# Altium PCB ZZW-FM17550-CB-001-V0.3.PcbDoc
Units mil, origin at the board's own origin, x right, y up, seen from the top; angles counter-clockwise.
Board outline 1750 x 3524 mil, 2 copper layers (Top Layer, Bottom Layer); 56 components, 36 nets, 175 pads, 78 vias.
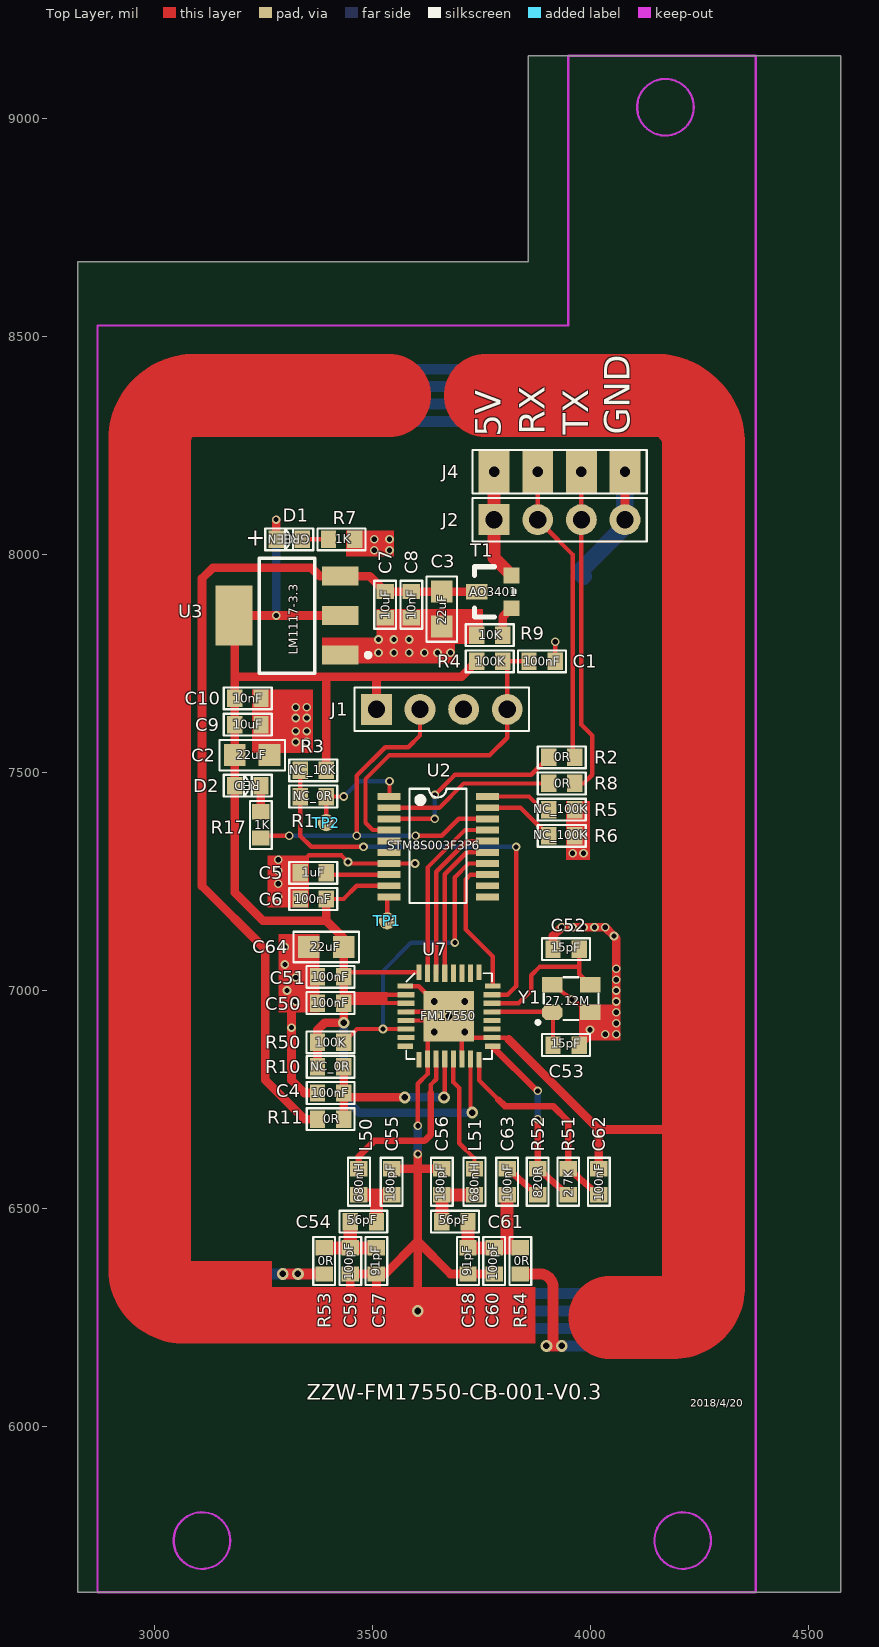
[diagram p0: Top Layer view]
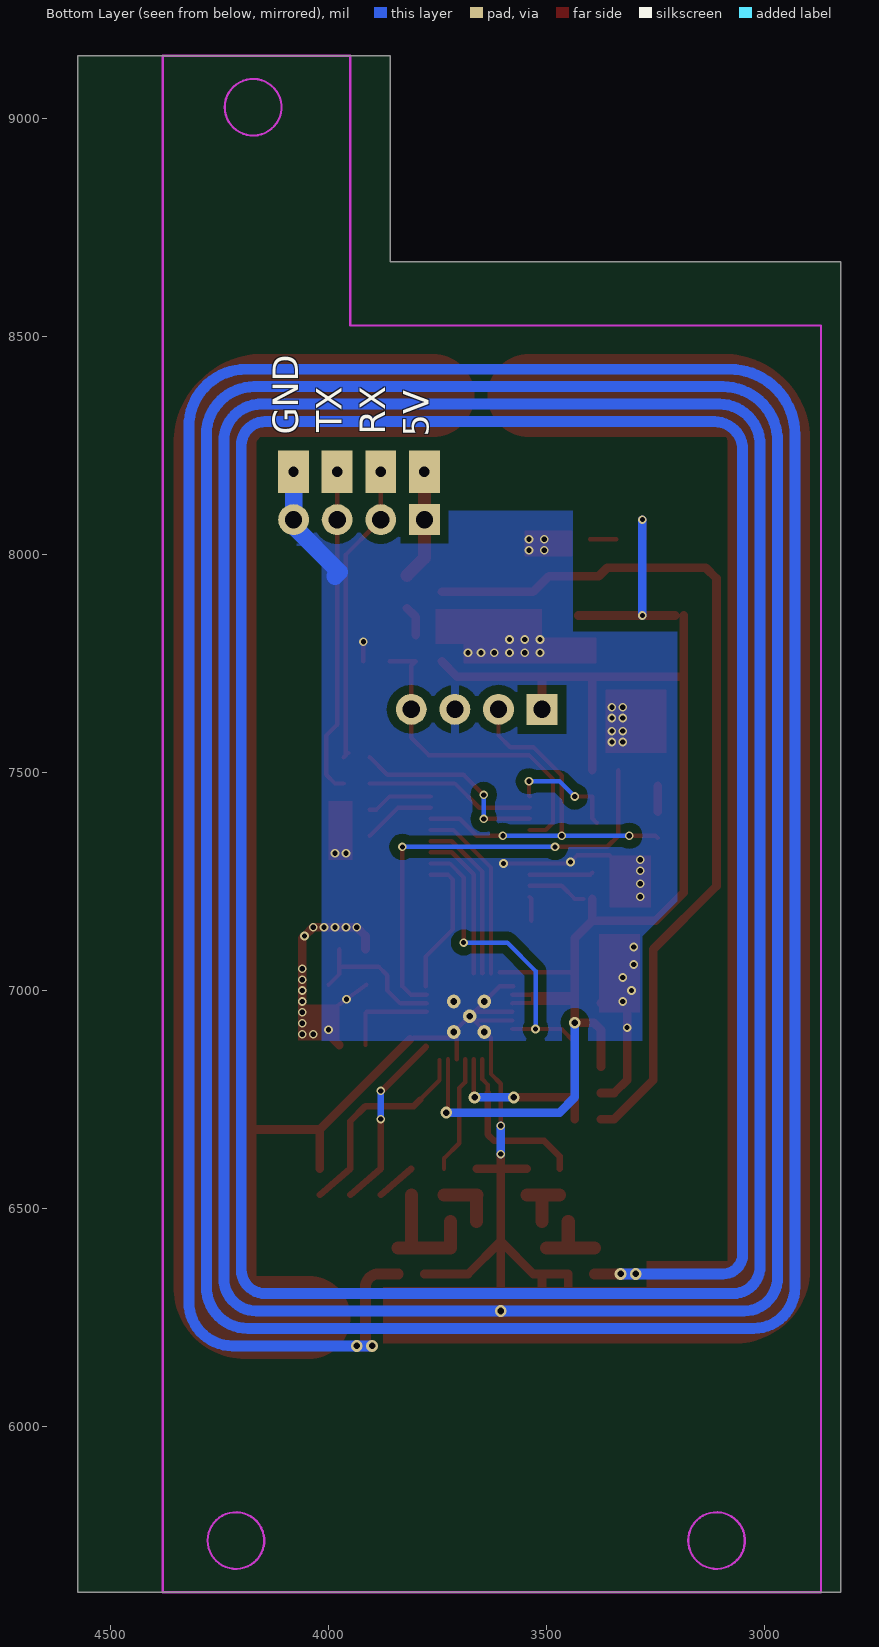
[diagram p1: Bottom Layer view, seen from below]

## Layer stack, top to bottom
Top Solder: solder mask 0.4, Solder Resist, Dk 3.5
Top Layer: signal copper 1.4
Dielectric 1: dielectric 12.6, FR-4, Dk 4.8
Bottom Layer: signal copper 1.4
Bottom Solder: solder mask 0.4, Solder Resist, Dk 3.5

## Board outline
2825,5620 2825,8671 3858,8671 3858,9144 4575,9144 4575,5620

## Design rules (kind name [scope] priority, off if disabled: settings)
Clearance Clearance_2 [InPolygon] p1: gap=20 ignorepadtopadclearanceinfootprint=FALSE except(0: Arc-Hole Track-Hole SMDPad-Hole THPad-Hole Via-Hole Fill-Hole Poly-Hole Region-Hole Text-Hole; 10: Text-Text)
Clearance Clearance_1 [InPolygon vs IsKeepOut] p2: gap=20 ignorepadtopadclearanceinfootprint=FALSE except(0: Arc-Hole Track-Hole SMDPad-Hole THPad-Hole Via-Hole Fill-Hole Poly-Hole Region-Hole Text-Hole)
Clearance [All] p3: gap=8 ignorepadtopadclearanceinfootprint=TRUE except(0: Arc-Hole Track-Hole SMDPad-Hole THPad-Hole Via-Hole Fill-Hole Poly-Hole Region-Hole Text-Hole)
ComponentClearance [All] p1: gap=0 collisioncheckmode=3 verticalgap=0 showdistances=FALSE
DiffPairsRouting [All] p1: maxlimit=100 minlimit=1 mostfreqgap=7 toplayer_minwidth=15 toplayer_maxwidth=15 toplayer_prefwidth=15 bottomlayer_minwidth=15 bottomlayer_maxwidth=15 bottomlayer_prefwidth=15 maxuncoupledlength=500
MinimumSolderMaskSliver [All] p1: minsoldermaskwidth=1
PolygonConnect PolygonConnect_2 [InComponent('J4')] p1: connectstyle=Relief reliefconductorwidth=30 reliefentries=4 polygonreliefangle="90 Angle" airgapwidth=20
PolygonConnect PolygonConnect_1 [InComponentClass('十字覆铜器件')] p2: connectstyle=Relief reliefconductorwidth=20 reliefentries=4 polygonreliefangle="90 Angle" airgapwidth=20
PolygonConnect [All] p3: connectstyle=Direct reliefconductorwidth=20 reliefentries=4 polygonreliefangle="90 Angle" airgapwidth=10
RoutingVias [All] p1: holewidth=11.81 width=19.68 viastyle="Through Hole" minholewidth=11.81 minwidth=19.68 maxholewidth=66.93 maxwidth=106.3
SilkToSilkClearance [All] p1: silktosilkclearance=0
SilkToSolderMaskClearance [IsPad] p1: minsilkscreentomaskgap=0 clearancetoexposedcopper=TRUE
SolderMaskExpansion [All] p1: expansion=4
Width [All] p1: maxlimit=500 minlimit=10 preferedwidth=10
25 further rules are at their usual default settings.

## Classes and differential pairs
component class 十字覆铜器件: J1 J2 J4

## Components (designator, comment, footprint, x,y, rotation, side; value= is the part's Value field where it differs from the comment)
C1 "100nF" 0603 3920,7755 r180 top
C2 "22uF" 0805 3265,7540 r180 top
C3 "22uF" 0805 3660,7835 r90 top
C4 "100nF" 0603 3375,6765 r0 top
C5 "1uF" 0603 3335,7270 r0 top
C6 "100nF" 0603 3395,7210 r180 top
C7 "10uF" 0603 3530,7855 r90 top
C8 "10nF" 0603 3590,7855 r90 top
C9 "10uF" 0603 3245,7610 r180 top
C10 "10nF" 0603 3245,7670 r180 top
C50 "100nF" 0603 3374.95,6971.36 r0 top
C51 "100nF" 0603 3374.95,7031.36 r0 top
C52 "15pF" 0603 3915,7095 r0 top
C53 "15pF" 0603 3975,6875 r180 top
C54 "56pF" 0603 3450,6470 r0 top
C55 "180pF" 0603 3544.95,6591.36 r270 top
C56 "180pF" 0603 3659.95,6531.36 r90 top
C57 "91pF" 0603 3510,6350 r90 top
C58 "91pF" 0603 3720,6410 r270 top
C59 "100pF" 0603 3450,6350 r90 top
C60 "100pF" 0603 3780,6410 r270 top
C61 "56pF" 0603 3720,6470 r180 top
C62 "100nF" 0603 4019.95,6591.36 r270 top
C63 "100nF" 0603 3809.95,6531.36 r90 top
C64 "22uF" 0805 3354.95,7100 r0 top
D1 "GREEN" LED0603 3280,8035 r0 top
D2 "RED" LED0603 3185,7470 r0 top
J1 "" SIP4-2.54 3510,7645 r0 top
J2 "" SIP4-2.54 3780,8080 r0 top
J4 "" SIP4-2.54-T 3780,8190 r0 top
L50 "680nH" 0603 3469.95,6591.36 r270 top
L51 "680nH" 0603 3734.95,6591.36 r270 top
R1 "NC_0R" 0603 3335,7445 r0 top
R2 "0R" 0603 3965,7535 r180 top
R3 "NC_10K" 0603 3335,7505 r0 top
R4 "100K" 0603 3800,7755 r180 top
R5 "NC_100K" 0603 3965,7415 r180 top
R6 "NC_100K" 0603 3965,7355 r180 top
R7 "1K" 0603 3460,8035 r180 top
R8 "0R" 0603 3965,7475 r180 top
R9 "10K" 0603 3800,7815 r180 top
R10 "NC_0R" 0603 3375,6825 r0 top
R11 "0R" 0603 3375,6705 r0 top
R17 "1K" 0603 3245,7350 r90 top
R50 "100K" 0603 3434.95,6881.36 r180 top
R51 "2.7K" 0603 3949.95,6591.36 r270 top
R52 "820R" 0603 3879.95,6591.36 r270 top
R53 "0R" 0603 3390,6410 r270 top
R54 "0R" 0603 3840,6410 r270 top
T1 "AO3401" SOT-23-H 3820,7877 r90 top
TP1 "TP" TEST-POINT 3535,7160 r270 top
TP2 "TP" TEST-POINT 3395,7385 r270 top
U2 "STM8S003F3P6" SOP-20 3538.62,7445 r0 top
U3 "LM1117-3.3" DSO-G3 3305,7860 r90 top
U7 "FM17550" HVQFN32 3578.1,7010.1 r0 top
Y1 "27.12M" 3225 3913.39,6950 r0 top

## Footprints (in the part's own frame and the unit in brackets; to place one, negate y for a bottom-side part, rotate by r counter-clockwise, add the part's x,y. Pads: shape width x height; smd on the part's side, far side on the other; paste and mask are expansions set on the pad)
0603 [mil]
  rect 35x40 smd: 1(0,0) 2(60,0)
  silkscreen extent -25,-25 85,25
0805 [mil]
  rect 50x50 smd: 1(0,0) 2(80,0)
  silkscreen extent -35,-35 115,35
3225 [mm]
  oct 1.2x0.9 smd: 1(0,0)
  rect 1.2x0.9 smd: 2(2.2,0) 3(2.2,1.6) 4(0,1.6)
  silkscreen extent -0.94,-0.68 2.7,2.05
DSO-G3 [mm]
  rect 1.1x2.15 smd: 1(-2.3,-3.1) 2(0,-3.1) 3(2.3,-3.1)
  rect 3.5x2.15 smd: 4(0,3.1)
  silkscreen extent -3.35,-4.85 3.35,1.63
HVQFN32 [mm]
  round 0.8 hole 0.4: 0(1.64,-2.67) 0(1.64,-0.892) 0(2.489,-1.753) 0(3.418,-2.67) 0(3.418,-0.892)
  rect 2.95x2.95 smd: 0(2.489,-1.753)
  rect 0.9x0.3 smd: 1(-0.05,0) 8(-0.05,-3.5) 17(5.05,-3.5) 24(5.05,0)
  rect 1x0.3 smd: 2(0,-0.5) 3(0,-1) 4(0,-1.5) 5(0,-2) 6(0,-2.5) 7(0,-3) 18(5,-3) 19(5,-2.5) 20(5,-2) 21(5,-1.5) 22(5,-1) 23(5,-0.5)
  rect 0.3x0.9 smd: 9(0.75,-4.3) 16(4.25,-4.3) 25(4.25,0.8) 32(0.75,0.8)
  rect 0.3x1 smd: 10(1.25,-4.25) 11(1.75,-4.25) 12(2.25,-4.25) 13(2.75,-4.25) 14(3.25,-4.25) 15(3.75,-4.25) 26(3.75,0.75) 27(3.25,0.75) 28(2.75,0.75) 29(2.25,0.75) 30(1.75,0.75) 31(1.25,0.75)
  silkscreen extent 0,-4.25 5,0.75
LED0603 [mil]
  rect 35x40 smd: 1(0,0) 2(60,0)
  silkscreen extent -25,-25 85,25
SIP4-2.54 [mm]
  rect 1.8x1.8 hole 1: 1(0,0)
  round 1.8 hole 1: 2(2.54,0) 3(5.08,0) 4(7.62,0)
  silkscreen extent -1.27,-1.27 8.89,1.27
SIP4-2.54-T [mm]
  rect 1.8x2.5 hole 0.6: 1(0,0) 2(2.54,0) 3(5.08,0) 4(7.62,0)
  silkscreen extent -1.27,-1.27 8.89,1.27
SOP-20 [mm]
  rect 1.35x0.4 smd: 1(0,0) 2(0,-0.65) 3(0,-1.3) 4(0,-1.95) 5(0,-2.6) 6(0,-3.25) 7(0,-3.9) 8(0,-4.55) 9(0,-5.2) 10(0,-5.85) 11(5.75,-5.85) 12(5.75,-5.2) 13(5.75,-4.55) 14(5.75,-3.9) 15(5.75,-3.25) 16(5.75,-2.6) 17(5.75,-1.95) 18(5.75,-1.3) 19(5.75,-0.65) 20(5.75,0)
  silkscreen extent 1.19,-6.2 4.52,0.46
SOT-23-H [mil]
  rect 36x50 smd: 1(38,80)
  rect 36x36 smd: 2(0,0) 3(75,0)
  silkscreen extent -20,-5 95,85
TEST-POINT [mm]
  round 1 smd: 1(0,0)

## Part data
C1 C2 C3 C4 C5 C6 C7 C8 C9 C10 C50 C51 C64: library part 0.1uF
C52 C53 C54 C56 C57 C58 C59 C60 C61 C62 C63: library part Cap, "Capacitor"
C55: library part Cap, "0.1"
D1 D2: library part LED
J1 J2 J4: library part CON4, "Connector"
L50 L51: library part INDUCTANCE, "TAIYO"
R1 R2 R3 R8 R10 R11 R51 R52 R53 R54: library part Res1, "Resistor"
R4 R5 R6 R7 R9 R17 R50: library part RES1
T1: library part MOSFET-P, "P-Channel MOSFET", LatestRevisionDate=17-Jul-2002, LatestRevisionNote="Re-released for DXP Platform.", PackageDescription="TO, Flat Index; 3 In-Line, Axial Leads; Body Dia. 4.6mm; Lead Dia. 0.5 mm (max)", PackageReference=E3, PackageVersion=1995/1996, Published=8-Jun-2000, Publisher="Altium Limited"
U3: library part AMS1117
U7: library part MFRC522
Y1: library part CRYSTAL_1, "Crystal"

## Via types
v1: diameter 20, hole 12, Top Layer to Bottom Layer, tented both sides, 54 vias
v2: diameter 19.68, hole 11.81, Top Layer to Bottom Layer, tented both sides, 15 vias
v3: diameter 27, hole 15, Top Layer to Bottom Layer, tented both sides, 9 vias

## Nets (pads, with @x,y where several pads share a name; then routed paths per layer and width w, separated by ;. In a path a pad name is that pad's centre, name@x,y a point inside that pad or via, vN(x,y) a via of type N, cw(c..) or ccw(c..) an arc to the next point about the centre after c; other vN are vias at no path point)
+5V: J2.1 J4.1 T1.3 | length 254.6
  Top Layer w30: J4.1 J2.1 3780,7992 T1.3
GND: C1.1 C2.1 C3.1 C4.1 C5.1 C6.2 C7.1 C8.1 C9.1 C10.1 C50.1 C51.1 C52.1 C53.1 C55.1 C56.2 C57.1 C58.2 C59.1 C60.2 C62.1 C64.1 J1.3 J2.4 J4.4 R5.1 R6.1 R7.1 R9.2 R53.2 R54.2 U2.7 U3.1 U7.0 U7.1 U7.4 U7.5 U7.10 U7.14 U7.18 Y1.2 Y1.4 | length 35638.6
  Top Layer w10: 3340,7295 3355,7310 3430,7310 v1(3445,7295) 3448.54,7291.46 U2.7 v1(3598.54,7291.46) ; U7.1 3607.1,7010.1 U7.0@3666.16,6951.05 ; U7.5 U7.0@3666.36,6931.36 ; U7.4 U7.0@3666.16,6951.05 ; v2(3605,6690) 3605,6786.41 3627.32,6808.72 U7.10 3627.32,6892.32 U7.0@3666.36,6931.36 ; U7.14 U7.0@3706.06,6911.15 ; 3813.59,6887.73 ccw(c3803.3,6877.44) 3803.3,6891.99 U7.18 3725.21,6891.99 U7.0@3706.06,6911.15 ; Y1.4 v1(3958.75,6980) Y1.2 v1(4060,6950) ; C1.1 v2(3920,7800) ; U7.0@3666.16,6951.05 U7.0@3676.1,6941.1 ; U7.0@3666.36,6931.36 U7.0@3676.1,6941.1 ; U7.0@3676.1,6941.1 U7.0@3706.06,6911.15
  Top Layer w20: 3315,6955 3315,6795 3345,6765 C4.1 ; C50.1@3369.95,6966.36 C50.1 ; 3450,6290 C59.1 C57.1 ; 3510,6300 C57.1 ; C55.1 3605,6591.36 ; v3(3605,6265) 3605,6425 ; v2(3605,6625) 3605,6591.36 ; C56.2 3605,6591.36 ; C60.2 C58.2 3680,6350 3605,6425 ; 3813.59,6887.73 4019.95,6681.36 ; C52.1 3915,7125 v1(3935,7145) v1(3960,7145) v1(3985,7145) v1(4010,7145) v1(4035,7145) v1(4055,7125) 4060,7120 v1(4060,7050) v1(4060,7025) v1(4060,7000) v1(4060,6975) v1(4060,6950) v1(4060,6925) v1(4060,6900) v1(4035,6900) 4025,6910 v1(4000,6910) 4000,6900 C53.1 ; C62.1 4019.95,6681.36 ; J2.4 J4.4 ; 4260,6680 4258.64,6681.36 4019.95,6681.36 ; C57.1 3530,6350 3605,6425 ; 3605,6425 3605,6591.36
  Top Layer w25: v3(3295,6350) v3(3330,6350) R53.2 ; R54.2 3885,6350 cw(c3885,6320) 3915,6320 3915,6185 ; v3(3900,6185) 3915,6185 ; v3(3935,6185) 3915,6185
  Top Layer w190: 3070,6285 cw(c3070,6368.29) 3011.1,6309.4 cw(c3062.06,6360.35) 2990,6360.35 2990,8263.58 cw(c3090,8263.58) 3019.29,8334.29 3020.71,8335.71 cw(c3091.42,8265) 3091.42,8365 3540,8365 ; 3760,8365 4153.58,8365 cw(c4153.58,8265) 4224.29,8335.71 ; 4045,6250 4191.72,6250 ccw(c4191.72,6318.28) 4240,6270 ccw(c4191.72,6318.28) 4260,6318.28 4260,6680 4260,8258.58 ccw(c4160,8258.58) 4230.71,8329.29
  Bottom Layer w20: v2(3605,6625) v2(3605,6690)
  Bottom Layer w25: v3(3330,6350) v3(3295,6350) 3094.95,6350 cw(c3094.95,6395) 3049.95,6395 3049.95,8239.95 cw(c3115,8239.95) 3115,8305 4145,8305 cw(c4145,8250) 4200,8250 4200,6360 cw(c4145,6360) 4145,6305 3072.36,6305 cw(c3072.36,6367.41) 3009.95,6367.41 3009.95,8251.19 cw(c3103.76,8251.19) 3103.76,8345 4155,8345 ; v3(3900,6185) v3(3935,6185) 4220,6185 ccw(c4220,6285) 4320,6285 4320,8294.17 ccw(c4189.17,8294.17) 4189.17,8425 3080.05,8425 ccw(c3080.05,8274.91) 2929.95,8274.91 2929.95,6320.05 ccw(c3025,6320.05) 3025,6225 4185,6225 ccw(c4185,6320) 4280,6320 4280,8275.28 ccw(c4170.28,8275.28) 4170.28,8385 3095.05,8385 ccw(c3095.05,8259.91) 2969.95,8259.91 2969.95,6341.7 ccw(c3046.65,6341.7) 3046.65,6265 v3(3605,6265) 4165,6265 ccw(c4165,6340) 4240,6340 4240,8260 ccw(c4155,8260) 4155,8345 ; 4160,8345 4155,8345
  Bottom Layer w40: 3985,7950 3975,7960 4080,8065 J2.4 J4.4
  other v1: 3315,6915 3325,6975 3305,7000 3325,7030 3300,7060 3300,7100 3285,7215 3285,7245 3285,7275 3285,7300 3960,7315 3985,7315 3325,7570 3350,7570 3325,7595 3350,7595 3325,7625 3350,7625 3325,7650 3350,7650 3515,7775 3550,7775 3585,7775 3620,7775 3650,7775 3680,7775 3515,7805 3550,7805 3585,7805 3505,8010 3540,8010 3505,8035 3540,8035
IRQ: R1.2 TP2.1 U2.1 | length 259.2
  Top Layer w10: TP2.1@3385,7385 3395,7395 R1.2 v2(3435,7445) ; U2.1 3540,7446.38 v2(3540,7480)
  Bottom Layer w10: v2(3435,7445) 3470,7480 v2(3540,7480)
MCU_FM17550RST: R50.1 U2.14 U7.6 | length 719
  Top Layer w10: R50.1 3465.27,6911.68 v1(3524.95,6911.68) U7.6 ; v2(3690,7110) 3690,7260 3721.46,7291.46 U2.14
  Bottom Layer w10: v1(3524.95,6911.68) 3524.95,7044.95 3590,7110 v2(3690,7110)
MCU_MISO: U2.17 U7.31 | length 416
  Top Layer w10: U7.31 3627.32,7282.32 3713.23,7368.23 U2.17
MCU_MOSI: U2.16 U7.30 | length 381
  Top Layer w10: U7.30@3646.22,7040.41 U7.30 3647,7272.46 3717.18,7342.64 U2.16
MCU_NRST: C1.2 J1.4 R4.1 U2.4 | length 764.1
  Top Layer w10: U2.4 3501.77,7368.23 3485,7385 3485,7485 3540,7540 3770,7540 3810,7580 J1.4 3810,7745 R4.1 C1.2
MCU_ReadOnly: R5.2 U2.20 | length 152.4
  Top Layer w10: U2.20 3860,7445 3890,7415 R5.2
MCU_RX1: R2.2 U2.3 | length 457.1
  Top Layer w10: U2.3 v2(3643.82,7393.82) ; v2(3643.82,7448.82) 3690,7495 3865,7495 R2.2
  Bottom Layer w10: v2(3643.82,7393.82) v2(3643.82,7448.82)
MCU_SCK: U2.15 U7.29 | length 346.4
  Top Layer w10: U7.29@3666.8,7039.74 U7.29 3666.69,7266.69 3717.05,7317.05 U2.15
MCU_SDA: U2.13 U7.24 | length 325
  Top Layer w10: U2.13 3725.87,7265.87 3715,7255 3715,7140 3776.92,7078.08 U7.24
MCU_SWIM: J1.2 R17.1 U2.18 | length 919.3
  Top Layer w10: R17.1 3250,7355 v2(3310,7355) ; v1(3465,7355) 3465,7493 3530,7558 3583,7558 3610,7585 J1.2 ; v2(3600,7355) 3660,7355 3698.82,7393.82 U2.18
  Bottom Layer w10: v2(3310,7355) v1(3465,7355) v2(3600,7355)
MCU_TX1: R8.2 U2.2 | length 389.4
  Top Layer w10: U2.2 3654.41,7419.41 3710,7475 R8.2
MCU_WriteOnly: R6.2 U2.19 | length 166.7
  Top Layer w10: U2.19 3840.59,7419.41 R6.2
NetC3_2: C3.2 C7.2 C8.2 R11.1 T1.1 U3.3 | length 2030.5
  Top Layer w20: R11.1 3345,6705 3255,6795 3255,7095 3110,7240 3110,7945 3135,7970 3360.55,7970 3380,7950.55 U3.3 3494.45,7950.55 C7.2 C8.2 C3.2 T1.1
NetC5_2: C5.2 U2.8 | length 145.3
  Top Layer w10: C5.2 3399.13,7265.87 U2.8
NetC52_2: C52.2 U7.22 Y1.3 | length 347.8
  Top Layer w10: U7.22 3835.73,6970.73 3865,7000 3865,7035 3885,7055 3975,7055 ; C52.2 3975,7055 ; Y1.3 3975,7037.99 3975,7055
NetC53_2: C53.2 U7.21 Y1.1 | length 214.5
  Top Layer w10: U7.21 3912.34,6951.05 Y1.1 3915,6948.39 C53.2
NetC54_1: C54.1 C57.2 C59.2 R53.1 | length 170
  Top Layer w30: R53.1 C59.2 ; C54.1 C59.2 ; C57.2@3500,6410 C59.2
NetC54_2: C54.2 C55.2 L50.2 | length 136.4
  Top Layer w30: L50.2 3510,6531.36 ; C54.2 3510,6531.36 ; C55.2 3510,6531.36
NetC56_1: C56.1 C61.2 L51.2 | length 136.4
  Top Layer w30: C56.1 3660,6531.32 C61.2 ; C56.1 L51.2
NetC58_1: C58.1 C60.1 C61.1 C63.1 R54.1 | length 301.4
  Top Layer w30: C61.1 C58.1 C60.1 3810,6410 ; C63.1 3809.95,6410.05 3810,6410 ; R54.1 3810,6410
NetC62_2: C62.2 R51.1 U7.16 | length 491
  Top Layer w10: U7.16 3745.43,6794.22 3789.64,6750
  Top Layer w15: 3789.64,6750 3804.64,6735 3915,6735 3949.95,6700.05 R51.1 C62.2
NetC63_2: C63.2 R52.2 | length 92.2
  Top Layer w15: C63.2 R52.2
NetD1_2: D1.2 R7.2 | length 60
  Top Layer w10: D1.2 R7.2
NetD2_2: D2.2 R17.2 | length 60
  Top Layer w20: R17.2 D2.2
NetJ2_2: J2.2 J4.2 R2.1 | length 717.3
  Top Layer w10: J4.2 J2.2 J2.2@3895,8065 ; J2.2@3895,8090 J2.2@3895,8065 ; R2.1@3955,7545 R2.1 ; R2.1@3960,7545 3960,8000 J2.2@3895,8065
NetJ2_3: J2.3 J4.3 R8.1 | length 753.6
  Top Layer w10: R8.1 3985,7475 4005,7495 4005,7585 3980,7610 J2.3 J4.3
NetL50_1: L50.1 U7.11 | length 392.5
  Top Layer w10: 3634.95,6765 3634.95,6784.36 3647,6796.41 U7.11
  Top Layer w15: L50.1 3469.95,6619.95 3505,6655 3620,6655 3634.95,6669.95 3634.95,6698.98 3634.5,6699.44 3634.5,6720.56 3634.95,6721.02 3634.95,6765
NetL51_1: L51.1 U7.13 | length 271.5
  Top Layer w10: U7.13 3686.37,6790 3700,6776.37 3700,6650 3734.95,6615.05 L51.1
NetR1_1: R1.1 R3.1 U7.23 | length 1039.1
  Top Layer w10: R3.1 R1.1 3335,7355 3360.42,7329.58 v2(3480.42,7329.58) ; U7.23 3810.83,6990.42 3830.42,7010 v2(3830.42,7329.58)
  Bottom Layer w10: v2(3480.42,7329.58) v2(3830.42,7329.58)
NetR9_1: R9.1 T1.2 | length 70.3
  Top Layer w20: R9.1 3800,7857 T1.2
NetR51_2: R51.2 R52.1 U7.17 | length 415.6
  Top Layer w15: U7.17@3776.92,6870.59 3877.51,6770 v2(3880,6770) ; v2(3880,6705) v2(3880,6705) R52.1 R51.2
  Bottom Layer w15: v2(3880,6705) v2(3880,6770)
NetTP1_1: TP1.1 U2.10 | length 56.2
  Top Layer w10: TP1.1 3535,7211.06 U2.10
TVDD: C4.2 R10.2 R11.2 U7.12 | length 429.9
  Top Layer w10: C4.2@3435,6755 C4.2 ; v3(3665,6755) 3666.69,6756.69 U7.12
  Top Layer w20: R10.2@3434.95,6816.36 3435,6816.32 C4.2 ; R11.2 3435,6755 v3(3575,6755)
  Bottom Layer w20: v3(3575,6755) v3(3665,6755)
VDD: C2.2 C6.1 C9.2 C10.2 C50.2 C51.2 C64.2 D1.1 D2.1 J1.1 R3.2 R4.2 R10.1 R50.2 U2.9 U3.2 U3.4 U7.2 U7.3 U7.15 U7.32 | length 3879.8
  Top Layer w10: 3415,7210 3434.72,7210 3465,7240.28 U2.9 ; 3434.95,6996.36 3440.9,6990.42 3454.01,6990.42 ; C51.2 3445.19,7041.6 U7.32 ; U7.3 ccw(c3576.58,6969.21) 3576.58,6971.36 C50.2 3454.01,6990.42 ; U7.2 3454.01,6990.42 ; U7.15 3725.74,6724.26 v3(3730,6720)
  Top Layer w20: U3.4@3185,7860 3185,7720 ; U3.4@3205,7860 U3.2 ; D1.1 v2(3280,8080) ; R10.1 3375,6881.32 R50.2 3374.95,6909.95 3391.36,6926.36 v3(3434.95,6926.36) C50.2 ; C6.1 3395,7160 ; R3.2 3395,7720 ; 3434.95,6996.36 C51.2 C64.2 3434.95,7120.05 3395,7160 ; J1.1 3510,7720 ; R4.2 3705,7720 3510,7720 ; 3185,7720 C10.2 C9.2 C2.2 D2.1 3185,7225 3250,7160 3395,7160 ; 3185,7720 3395,7720 ; 3395,7720 3510,7720
  Bottom Layer w20: v1(3280,7860) v2(3280,8080) ; v3(3434.95,6926.36) 3434.95,6755.05 3470,6720 v3(3730,6720)
pads on no net: U2.5 U2.6 U2.11 U2.12 U7.7 U7.8 U7.9 U7.19 U7.20 U7.25 U7.26 U7.27 U7.28

## Polygon pours and split planes (outlines as drawn)
GND on Bottom Layer "GND_L02_P014" (solid, remove dead copper, pour order 14): 4125,8100 4125,8020 4015,8020 4015,6885 3280,6885 3280,7125 3200,7205 3200,7822.5 3440,7822.5 3440,8100

## Keep-outs
Keep-Out Layer:
  circle w5: c3109.89,5738.55 r64.96
  circle w5: c4212.25,5738.55 r64.96
  circle w5: c4172.88,9025.95 r64.96
  lines w5: 2870,5620 4380,5620 4380,9144 3950,9144 3950,8525 2870,8525 2870,5620

## Other copper
Top Layer:
  rectangle net GND: 3060,6290 3270,6380
  rectangle net GND: 3060,6190 3875,6320
  rectangle net VDD: 3424.95,6966.36 3534.95,6996.36
  rectangle net GND: 3385,7750 3690,7810
  rectangle net GND: 3510,7750 3690,7875
  rectangle net GND: 3690,7795 3755,7875
  rectangle net GND: 3225,7545 3365,7690
  rectangle net GND: 3260,7190 3355,7310
  rectangle net GND: 3285,6950 3380,7130
  rectangle net GND: 3975,6885 4070,6968.18
  rectangle net GND: 3945,7300 4000,7435
  rectangle net GND: 3440,7995 3550,8055

## Silkscreen, mask and mechanical layers (free items; w line width, h text height)
Top Overlay:
  text "RX" at 3915,8275 h100 r90
  text "TX" at 4015,8275 h100 r90
  text "GND" at 4110,8275 h100 r90
  text "5V" at 3815,8270 h100 r90
  text "+" at 3210,8020 h39.37
  text "ZZW-FM17550-CB-001-V0.3" at 3350,6050 h60
  text "2018/4/20" at 4230,6040 h30
Bottom Overlay:
  text "TX" at 3950,8280 h100 r270
  text "RX" at 3850,8275 h100 r270
  text "GND" at 4050,8275 h100 r270
  text "5V" at 3750,8270 h100 r270